# KiCad board panel.kicad_pcb (continued)
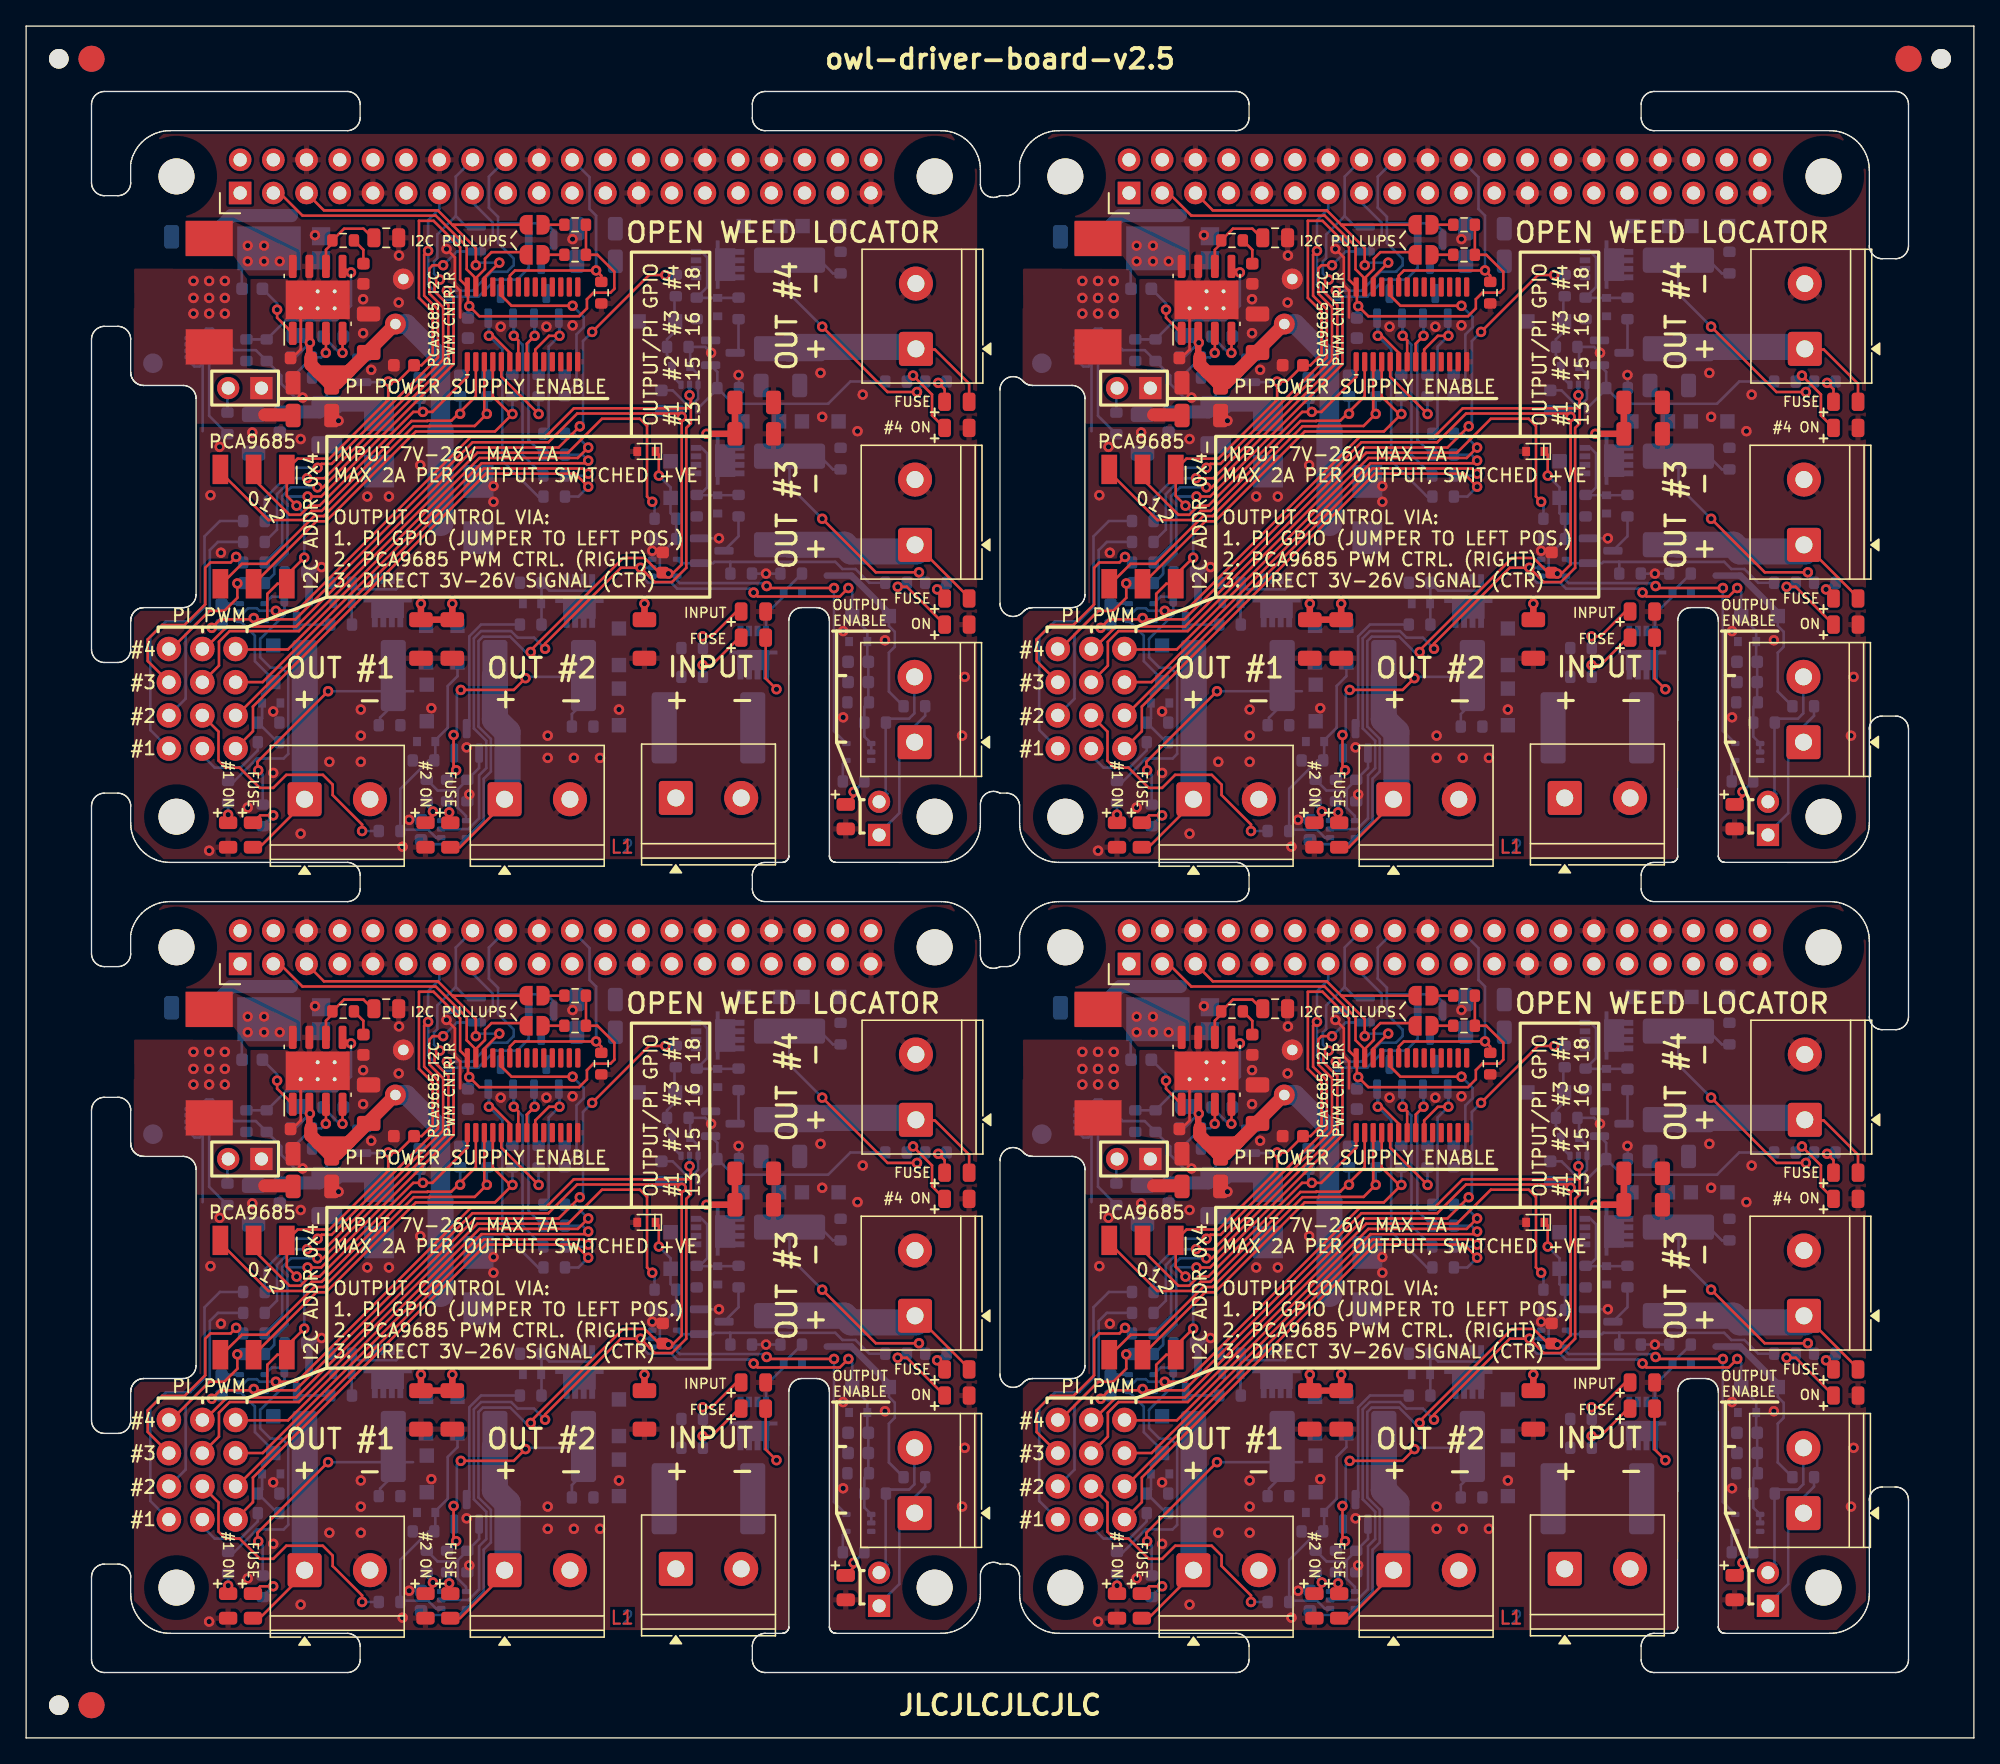
[diagram p0: board, top side]
## Library data of the parts (continued)
U4 U4#2-U4#4 U5 U5#2-U5#4 U6 U6#2-U6#4 U7 U7#2-U7#4 U8 U8#2-U8#4 = -: Datasheet: https://datasheet.lcsc.com/lcsc/1809291813_Nexperia-74LVC1G08GW-125_C12512.pdf; Description: Single AND Gate, Low-Voltage CMOS; Part: 74LVC1G08GW,125; LCSC: C12512
U9 U9#2-U9#4 = -: Datasheet: https://www.diodes.com/assets/Datasheets/AZ1117.pdf; Description: 1A 20V Fixed LDO Linear Regulator, 3.3V, SOT-89/SOT-223/TO-220/TO-252/TO-263; LCSC: C5148692

## Footprints (pads in the part's own frame, mm; a bottom-side part is the same pattern mirrored in y, then rotated)
1X04_NO_SILK
  round 1.88 hole 1.016: 1(0,0) 2(2.54,0) 3(5.08,0) 4(7.62,0)
2X4
  round 1.88 hole 1.016: 1(-3.81,-1.27) 2(-3.81,1.27) 3(-1.27,-1.27) 4(-1.27,1.27) 5(1.27,-1.27) 6(1.27,1.27) 7(3.81,-1.27) 8(3.81,1.27)
C_0603_1608Metric_nosilk
  rrect 0.9x0.95 smd: 1(-0.775,0) 2(0.775,0)
C_0805_2012Metric
  rrect 1x1.45 smd: 1(-0.95,0) 2(0.95,0)
C_1206_3216Metric_nosilk
  rrect 1.15x1.8 smd: 1(-1.475,0) 2(1.475,0)
CP_EIA-3528-21_Kemet-B
  rrect 1.325x2.35 smd: 1(-1.538,0) 2(1.538,0)
CP_Radial_D8.0mm_P3.50mm
  round 1.6 hole 0.8: 1(0,0) 2(3.5,0)
D_PowerDI-5
  rect 4.86x3.36 smd: 1(-1.12,0)
  rect 1.4x1.39 smd: 2(2.862,-0.92) 2(2.862,0.92)
D_SMB_silkpolarity
  rect 2.5x2.3 smd: 1(-2.15,0) 2(2.15,0)
D_SOD-123F_silkpolarity
  rect 1.1x1.1 smd: 1(-1.4,0) 2(1.4,0)
D_SOD-523_silkpolarity
  rect 0.6x0.7 smd: 1(-0.7,0) 2(0.7,0)
Diptronics-Rotary-Switch-R7M3-16RA-V
  rect 1.2x2.25 smd: 1(0,4.375) 2(-2.54,4.375) 4(-2.54,-4.375) 8(0,-4.375) C(2.54,4.375) C(2.54,-4.375)
Fiducial
  round 2 smd: (0,0)
Fuse_2920_7451Metric_nosilk
  rrect 1.925x5.45 smd: 1(-3.388,0) 2(3.388,0)
L_10.4x10.4_H4.8
  rect 2.7x3.6 smd: 1(-4.15,0) 2(4.15,0)
LED_0805_2012Metric
  rrect 0.975x1.4 smd: 1(-0.938,0) 2(0.938,0)
LM73100-QFN10
  custom 0.6x0.65 smd: 1(-0.9,0.7) 4(-0.9,-0.7) 7(0.9,-0.7) 10(0.9,0.7)
  rrect 0.6x0.25 smd: 2(-0.9,0.225) 3(-0.9,-0.225) 8(0.9,-0.225) 9(0.9,0.225)
  rrect 0.3x2.4 smd: 5(-0.25,0) 6(0.25,0)
NPTH
  round 1.5 hole 1.5 unplated: (0,0)
PDFN-8-3.3x3.3
  custom 0.45x0.8 smd: 1(-3.825,3.75) 3(-3.175,3.75) 3(-2.525,3.75) 3(-1.875,3.75)
  custom 3.7x2.25 smd: 2(-2.84,2.1)
Pin_Header_Straight_2x20
  rect 1.727x1.727 hole 1.016: 1(-1.27,24.13)
  oval 1.727x1.727 hole 1.016: 2(1.27,24.13) 3(-1.27,21.59) 4(1.27,21.59) 5(-1.27,19.05) 6(1.27,19.05) 7(-1.27,16.51) 8(1.27,16.51) 9(-1.27,13.97) 10(1.27,13.97) 11(-1.27,11.43) 12(1.27,11.43) 13(-1.27,8.89) 14(1.27,8.89) 15(-1.27,6.35) 16(1.27,6.35) 17(-1.27,3.81) 18(1.27,3.81) 19(-1.27,1.27) 20(1.27,1.27) 21(-1.27,-1.27) 22(1.27,-1.27) 23(-1.27,-3.81) 24(1.27,-3.81) 25(-1.27,-6.35) 26(1.27,-6.35) 27(-1.27,-8.89) 28(1.27,-8.89) 29(-1.27,-11.43) 30(1.27,-11.43) 31(-1.27,-13.97) 32(1.27,-13.97) 33(-1.27,-16.51) 34(1.27,-16.51) 35(-1.27,-19.05) 36(1.27,-19.05) 37(-1.27,-21.59) 38(1.27,-21.59) 39(-1.27,-24.13) 40(1.27,-24.13)
PinHeader_1x02_P2.54mm_Vertical_nosilk
  rect 1.7x1.7 hole 1: 1(0,0)
  oval 1.7x1.7 hole 1: 2(0,-2.54)
R_0603_1608Metric
  rrect 0.8x0.95 smd: 1(-0.825,0) 2(0.825,0)
RPi_Hat_Mounting_Hole
  round 2.75 hole 2.75 unplated: (0,0)
SolderJumper-2_P1.3mm_Open_RoundedPad1.0x1.5mm_nosilk
  custom 1x1.5 smd: 1(-0.65,0) 2(0.65,0)
SOT-23
  rrect 1.475x0.6 smd: 1(-0.938,0.95) 2(-0.938,-0.95) 3(0.938,0)
SOT-23_nosilk
  rrect 1.475x0.6 smd: 1(-0.938,0.95) 2(-0.938,-0.95) 3(0.938,0)
SOT-353_SC-70-5
  rrect 0.65x0.4 smd: 1(-0.95,0.65) 2(-0.95,0) 3(-0.95,-0.65) 4(0.95,-0.65) 5(0.95,0.65)
TerminalBlock_Phoenix_PT-1,5-2-5.0-H_1x02_P5.00mm_Horizontal
  rrect 2.6x2.6 hole 1.3: 1(0,0)
  round 2.6 hole 1.3: 2(5,0)
TestPoint_Pad_D1.5mm_NoSilk
  round 1.5 smd: 1(0,0)
Texas_R-PDSO-G8_EP2.95x4.9mm_Mask2.4x3.1mm_ThermalVias
  rrect 1.04x0.89 smd: (-0.6,1.03) (-0.6,0) (-0.6,-1.03) (0.6,1.03) (0.6,0) (0.6,-1.03)
  rect 2.4x3.1 smd: (0,0)
  rrect 1.775x0.6 smd: 1(-2.562,1.905) 2(-2.562,0.635) 3(-2.562,-0.635) 4(-2.562,-1.905) 5(2.562,-1.905) 6(2.562,-0.635) 7(2.562,0.635) 8(2.562,1.905)
  round 0.6 hole 0.3: 9(-0.65,1.3) 9(-0.65,0) 9(-0.65,-1.3) 9(0.65,0) 9(0.65,-1.3)
  rect 1.8x3.1 smd far side: 9(0,0)
  rect 2.95x4.9 smd: 9(0,0)
TSSOP-28_4.4x9.7mm_P0.65mm
  rrect 1.475x0.4 smd: 1(-2.862,4.225) 2(-2.862,3.575) 3(-2.862,2.925) 4(-2.862,2.275) 5(-2.862,1.625) 6(-2.862,0.975) 7(-2.862,0.325) 8(-2.862,-0.325) 9(-2.862,-0.975) 10(-2.862,-1.625) 11(-2.862,-2.275) 12(-2.862,-2.925) 13(-2.862,-3.575) 14(-2.862,-4.225) 15(2.862,-4.225) 16(2.862,-3.575) 17(2.862,-2.925) 18(2.862,-2.275) 19(2.862,-1.625) 20(2.862,-0.975) 21(2.862,-0.325) 22(2.862,0.325) 23(2.862,0.975) 24(2.862,1.625) 25(2.862,2.275) 26(2.862,2.925) 27(2.862,3.575) 28(2.862,4.225)

## Nets
Board_0-+3V3: C7#2.1 C26.1 C27#3.1 C28#4.1 C29#2.1 C30#4.1 R39#2.2 R40#4.2 SW1#4.C U2#3.28 U4.5 U5.5 U6.5 U7#3.5 U8#2.5 U9#2.2
Board_0-+5V: C9#4.1 C13#3.1 C14#4.1 C20#2.1 D16#3.1 J9.1 L1#3.2 R42#2.2 U9#2.3
Board_0-/BOOT: C17#2.1 U1#2.1
Board_0-/COMP: C22#4.1 R44#4.1 U1#2.6
Board_0-/EN: R41#2.1 R43#2.2 U1#2.3
Board_0-/M1_D: D8#3.2 D10#4.1 F2#4.1 Q2#2.2 R4.2 R62#3.2
Board_0-/M1_G: D2#3.2 Q2#2.1 R2#3.1 R6#2.2
Board_0-/M2_D: D21#4.2 D23.1 F4.1 Q6#3.2 R15#4.2 R61.2
Board_0-/M2_G: D17#4.2 Q6#3.1 R13#4.1 R17.2
Board_0-/M3_D: D9#2.2 D11#4.1 F3#3.1 Q3#3.2 R5.2 R60.2
Board_0-/M3_G: D3.2 Q3#3.1 R3#2.1 R7#2.2
Board_0-/M4_D: D22.2 D24#3.1 F5#2.1 Q7#3.2 R16.1 R59#4.2
Board_0-/M4_G: D18#3.2 Q7#3.1 R14#4.1 R18#3.2
Board_0-/PI_5V0_P: J9.2 R46#3.2 U3#2.5
Board_0-/SS: C24#2.1 U1#2.4
Board_0-/SW: C17#2.2 D36#4.1 L1#3.1 U1#2.8
Board_0-/VSENSE: R42#2.1 R45#2.2 U1#2.5
Board_0-ENABLE: C21.1 C25#3.1 D39.1 D40#2.2 R47#2.1 R49#3.2 U4.2 U5.2 U6.2 U7#3.2 U8#2.1 U8#2.2
Board_0-GND: C1#4.2 C2#2.2 C3#3.2 C4#3.2 C5#3.2 C6#3.2 C7#2.2 C8#4.2 C9#4.2 C10#4.2 C11.2 C12#3.2 C13#3.2 C14#4.2 C15#4.2 C16#4.2 C18#2.2 C19#2.2 C20#2.2 C21.2 C22#4.2 C23#2.2 C24#2.2 C25#3.2 C26.2 C27#3.2 C28#4.2 C29#2.2 C30#4.2 D7#3.2 D10#4.2 D11#4.2 D16#3.2 D23.2 D24#3.2 D29#4.1 D30.1 D31#3.1 D32#2.3 D33#4.3 D34.3 D35.3 D36#4.2 D37.1 D38.1 D39.2 D41#4.1 D42#2.2 D43#2.2 D44#2.2 D45#3.2 J2#2.6 J2#2.9 J2#2.14 J2#2.20 J2#2.25 J2#2.30 J2#2.34 J2#2.39 J3#3.2 J4.2 J5#4.2 J7.2 J8#2.2 Q4#3.2 Q5#2.2 Q8#4.2 Q9#3.2 R8#3.1 R11#2.1 R12#2.1 R21#2.1 R22.1 R28#3.1 R32#2.1 R33#4.1 R34#4.1 R35#4.1 R36#4.1 R37#3.1 R43#2.1 R45#2.1 R47#2.2 R50#2.1 R51.1 R52#3.1 R53#4.1 R59#4.1 R60.1 R61.1 R62#3.1 U1#2.7 U1#2.9 U2#3.14 U3#2.2 U3#2.4 U3#2.8 U3#2.9 U4.3 U5.3 U6.3 U7#3.3 U8#2.3 U9#2.1
Board_0-I2C_SCL: J2#2.5 JP8#3.1 U2#3.26
Board_0-I2C_SDA: J2#2.3 JP7#2.1 U2#3.27
Board_0-INPUT1: J6#2.1 R24#3.2
Board_0-INPUT2: J6#2.3 R25.2
Board_0-INPUT3: J6#2.5 R26#2.2
Board_0-INPUT4: J6#2.7 R27#3.2
Board_0-MOSFET1: J6#2.2 R9#3.2
Board_0-MOSFET2: J6#2.4 R19#3.2
Board_0-MOSFET3: J6#2.6 R10#2.2
Board_0-MOSFET4: J6#2.8 R20#4.2
Board_0-Net-(C23-Pad1): C23#2.1 R44#4.2
Board_0-Net-(D1-A): D1#3.2 R1#4.1
Board_0-Net-(D1-K): D1#3.1 F1#3.2 Q1#2.2
Board_0-Net-(D4-A): D4#3.2 R4.1
Board_0-Net-(D5-A): D5.2 R5.1
Board_0-Net-(D6-A): D6#3.2 Q1#2.1 R8#3.2
Board_0-Net-(D12-A): D12#4.2 D45#3.1 R9#3.1 R53#4.2 U5.1
Board_0-Net-(D13-A): D13#2.2 D43#2.1 R10#2.1 R51.2 U6.1
Board_0-Net-(D19-A): D19.2 R15#4.1
Board_0-Net-(D20-A): D20#3.2 R16.2
Board_0-Net-(D25-A): D25.2 D44#2.1 R19#3.1 R52#3.2 U4.1
Board_0-Net-(D26-A): D26#2.2 D42#2.1 R20#4.1 R50#2.2 U7#3.1
Board_0-Net-(D29-A): D29#4.2 R58#3.1
Board_0-Net-(D30-A): D30.2 R56#2.1
Board_0-Net-(D31-A): D31#3.2 R57#2.1
Board_0-Net-(D37-A): D37.2 R54.1
Board_0-Net-(D38-A): D38.2 R23#2.1
Board_0-Net-(D41-A): D41#4.2 R55#3.1
Board_0-Net-(J2-GP22): D35.2 J2#2.15 R29#4.1
Board_0-Net-(J2-GP23): D35.1 J2#2.16 R30#2.1
Board_0-Net-(J2-GP24): D34.2 J2#2.18 R31.1
Board_0-Net-(J2-GP27): D34.1 J2#2.13 R38#3.1
Board_0-Net-(J10-Pin_1): J10#4.1 J11.1 R48.2
Board_0-Net-(J10-Pin_2): J10#4.2 J11.2 R49#3.1
Board_0-Net-(JP7-B): JP7#2.2 R39#2.1
Board_0-Net-(JP8-B): JP8#3.2 R40#4.1
Board_0-Net-(Q4-D): Q4#3.3 R6#2.1
Board_0-Net-(Q4-G): Q4#3.1 R11#2.2 R58#3.2 U5.4
Board_0-Net-(Q5-D): Q5#2.3 R7#2.1
Board_0-Net-(Q5-G): Q5#2.1 R12#2.2 R56#2.2 U6.4
Board_0-Net-(Q8-D): Q8#4.3 R17.1
Board_0-Net-(Q8-G): Q8#4.1 R21#2.2 R57#2.2 U4.4
Board_0-Net-(Q9-D): Q9#3.3 R18#3.1
Board_0-Net-(Q9-G): Q9#3.1 R22.2 R54.2 U7#3.4
Board_0-Net-(R55-Pad2): R55#3.2 U8#2.4
Board_0-Net-(U2-A0): R37#3.2 SW1#4.1 U2#3.1
Board_0-Net-(U2-A1): R36#4.2 SW1#4.2 U2#3.2
Board_0-Net-(U2-A2): R35#4.2 SW1#4.4 U2#3.3
Board_0-Net-(U2-A3): R34#4.2 SW1#4.8 U2#3.4
Board_0-Net-(U2-A4): R33#4.2 U2#3.5
Board_0-Net-(U2-A5): R32#2.2 U2#3.24
Board_0-Net-(U2-LED0): D33#4.2 R24#3.1 U2#3.6
Board_0-Net-(U2-LED1): D33#4.1 R25.1 U2#3.7
Board_0-Net-(U2-LED2): D32#2.2 R26#2.1 U2#3.8
Board_0-Net-(U2-LED3): D32#2.1 R27#3.1 U2#3.9
Board_0-Net-(U3-EN): R46#3.1 U3#2.1
Board_0-OE: J2#2.22 R28#3.2 U2#3.23
Board_0-OUT1: D4#3.1 F2#4.2 J4.1
Board_0-OUT2: D19.1 F4.2 J5#4.1
Board_0-OUT3: D5.1 F3#3.2 J7.1
Board_0-OUT4: D20#3.1 F5#2.2 J8#2.1
Board_0-PI1: J1#3.4 R38#3.2
Board_0-PI2: J1#3.3 R29#4.2
Board_0-PI3: J1#3.2 R30#2.2
Board_0-PI4: J1#3.1 R31.2
Board_0-PI_5V0: C10#4.1 J2#2.2 J2#2.4 TP1#2.1 U3#2.6
Board_0-unconnected-(J2-3.3V-Pad1): J2#2.1
Board_0-unconnected-(J2-3.3V-Pad17): J2#2.17
Board_0-unconnected-(J2-CE0-Pad24): J2#2.24
Board_0-unconnected-(J2-CE1-Pad26): J2#2.26
Board_0-unconnected-(J2-GP4-Pad7): J2#2.7
Board_0-unconnected-(J2-GP5-Pad29): J2#2.29
Board_0-unconnected-(J2-GP6-Pad31): J2#2.31
Board_0-unconnected-(J2-GP12-Pad32): J2#2.32
Board_0-unconnected-(J2-GP13-Pad33): J2#2.33
Board_0-unconnected-(J2-GP16-Pad36): J2#2.36
Board_0-unconnected-(J2-GP17-Pad11): J2#2.11
Board_0-unconnected-(J2-GP18#-Pad12): J2#2.12
Board_0-unconnected-(J2-GP19-Pad35): J2#2.35
Board_0-unconnected-(J2-GP20-Pad38): J2#2.38
Board_0-unconnected-(J2-GP21-Pad40): J2#2.40
Board_0-unconnected-(J2-GP26-Pad37): J2#2.37
Board_0-unconnected-(J2-ID_SC-Pad28): J2#2.28
Board_0-unconnected-(J2-ID_SD-Pad27): J2#2.27
Board_0-unconnected-(J2-MISO-Pad21): J2#2.21
Board_0-unconnected-(J2-MOSI-Pad19): J2#2.19
Board_0-unconnected-(J2-RXI-Pad10): J2#2.10
Board_0-unconnected-(J2-SCLK-Pad23): J2#2.23
Board_0-unconnected-(J2-TXO-Pad8): J2#2.8
Board_0-unconnected-(U2-EXTCLK-Pad25): U2#3.25
Board_0-unconnected-(U2-LED4-Pad10): U2#3.10
Board_0-unconnected-(U2-LED5-Pad11): U2#3.11
Board_0-unconnected-(U2-LED6-Pad12): U2#3.12
Board_0-unconnected-(U2-LED7-Pad13): U2#3.13
Board_0-unconnected-(U2-LED8-Pad15): U2#3.15
Board_0-unconnected-(U2-LED9-Pad16): U2#3.16
Board_0-unconnected-(U2-LED10-Pad17): U2#3.17
Board_0-unconnected-(U2-LED11-Pad18): U2#3.18
Board_0-unconnected-(U2-LED12-Pad19): U2#3.19
Board_0-unconnected-(U2-LED13-Pad20): U2#3.20
Board_0-unconnected-(U2-LED14-Pad21): U2#3.21
Board_0-unconnected-(U2-LED15-Pad22): U2#3.22
Board_0-unconnected-(U3-DNC-Pad10): U3#2.10
Board_0-unconnected-(U3-DVDT-Pad7): U3#2.7
Board_0-unconnected-(U3-PG-Pad3): U3#2.3
Board_0-VCC: C1#4.1 C2#2.1 C3#3.1 C4#3.1 C5#3.1 C6#3.1 C8#4.1 C11.1 C12#3.1 C15#4.1 C16#4.1 C18#2.1 C19#2.1 D2#3.1 D3.1 D6#3.1 D7#3.1 D8#3.1 D9#2.1 D12#4.1 D13#2.1 D17#4.1 D18#3.1 D21#4.1 D22.1 D25.1 D26#2.1 D40#2.1 Q1#2.3 Q2#2.3 Q3#3.3 Q6#3.3 Q7#3.3 R2#3.2 R3#2.2 R13#4.2 R14#4.2 R23#2.2 R41#2.2 R48.1 U1#2.2
Board_0-VIN: F1#3.1 J3#3.1 R1#4.2
Board_1-+3V3: C7#4.1 C26#4.1 C27.1 C28#3.1 C29.1 C30#3.1 R39.2 R40#2.2 SW1#2.C U2#4.28 U4#3.5 U5#4.5 U6#3.5 U7#4.5 U8.5 U9#3.2
Board_1-+5V: C9#3.1 C13#4.1 C14#3.1 C20.1 D16.1 J9#3.1 L1#4.2 R42.2 U9#3.3
Board_1-/BOOT: C17#4.1 U1#3.1
Board_1-/COMP: C22#2.1 R44#3.1 U1#3.6
Board_1-/EN: R41#4.1 R43#3.2 U1#3.3
Board_1-/M1_D: D8#2.2 D10.1 F2#2.1 Q2#3.2 R4#2.2 R62.2
Board_1-/M1_G: D2.2 Q2#3.1 R2.1 R6#4.2
Board_1-/M2_D: D21#3.2 D23#2.1 F4#2.1 Q6#2.2 R15#3.2 R61#2.2
Board_1-/M2_G: D17#3.2 Q6#2.1 R13#2.1 R17#3.2
Board_1-/M3_D: D9#4.2 D11.1 F3#2.1 Q3#2.2 R5#4.2 R60#2.2
Board_1-/M3_G: D3#3.2 Q3#2.1 R3#3.1 R7.2
Board_1-/M4_D: D22#4.2 D24#4.1 F5.1 Q7#4.2 R16#4.1 R59#2.2
Board_1-/M4_G: D18#4.2 Q7#4.1 R14#3.1 R18#2.2
Board_1-/PI_5V0_P: J9#3.2 R46#2.2 U3#3.5
Board_1-/SS: C24#3.1 U1#3.4
Board_1-/SW: C17#4.2 D36.1 L1#4.1 U1#3.8
Board_1-/VSENSE: R42.1 R45.2 U1#3.5
Board_1-ENABLE: C21#2.1 C25#4.1 D39#3.1 D40.2 R47.1 R49#2.2 U4#3.2 U5#4.2 U6#3.2 U7#4.2 U8.1 U8.2
Board_1-GND: C1#3.2 C2#3.2 C3#4.2 C4#4.2 C5.2 C6#2.2 C7#4.2 C8#3.2 C9#3.2 C10#3.2 C11#2.2 C12#2.2 C13#4.2 C14#3.2 C15.2 C16#3.2 C18.2 C19#4.2 C20.2 C21#2.2 C22#2.2 C23#3.2 C24#3.2 C25#4.2 C26#4.2 C27.2 C28#3.2 C29.2 C30#3.2 D7#2.2 D10.2 D11.2 D16.2 D23#2.2 D24#4.2 D29.1 D30#3.1 D31#4.1 D32#4.3 D33.3 D34#2.3 D35#2.3 D36.2 D37#3.1 D38#2.1 D39#3.2 D41#2.1 D42.2 D43#3.2 D44.2 D45#2.2 J2#3.6 J2#3.9 J2#3.14 J2#3.20 J2#3.25 J2#3.30 J2#3.34 J2#3.39 J3.2 J4#3.2 J5.2 J7#3.2 J8#4.2 Q4#2.2 Q5.2 Q8#3.2 Q9#4.2 R8.1 R11#4.1 R12.1 R21#3.1 R22#2.1 R28#4.1 R32#3.1 R33.1 R34#3.1 R35#3.1 R36#2.1 R37#4.1 R43#3.1 R45.1 R47.2 R50.1 R51#4.1 R52.1 R53#3.1 R59#2.1 R60#2.1 R61#2.1 R62.1 U1#3.7 U1#3.9 U2#4.14 U3#3.2 U3#3.4 U3#3.8 U3#3.9 U4#3.3 U5#4.3 U6#3.3 U7#4.3 U8.3 U9#3.1
Board_1-I2C_SCL: J2#3.5 JP8#2.1 U2#4.26
Board_1-I2C_SDA: J2#3.3 JP7.1 U2#4.27
Board_1-INPUT1: J6#4.1 R24.2
Board_1-INPUT2: J6#4.3 R25#4.2
Board_1-INPUT3: J6#4.5 R26#4.2
Board_1-INPUT4: J6#4.7 R27#2.2
Board_1-MOSFET1: J6#4.2 R9#2.2
Board_1-MOSFET2: J6#4.4 R19#4.2
Board_1-MOSFET3: J6#4.6 R10#4.2
Board_1-MOSFET4: J6#4.8 R20.2
Board_1-Net-(C23-Pad1): C23#3.1 R44#3.2
Board_1-Net-(D1-A): D1#2.2 R1.1
Board_1-Net-(D1-K): D1#2.1 F1#2.2 Q1#4.2
Board_1-Net-(D4-A): D4.2 R4#2.1
Board_1-Net-(D5-A): D5#2.2 R5#4.1
Board_1-Net-(D6-A): D6.2 Q1#4.1 R8.2
Board_1-Net-(D12-A): D12#3.2 D45#2.1 R9#2.1 R53#3.2 U5#4.1
Board_1-Net-(D13-A): D13#4.2 D43#3.1 R10#4.1 R51#4.2 U6#3.1
Board_1-Net-(D19-A): D19#3.2 R15#3.1
Board_1-Net-(D20-A): D20#4.2 R16#4.2
Board_1-Net-(D25-A): D25#3.2 D44.1 R19#4.1 R52.2 U4#3.1
Board_1-Net-(D26-A): D26.2 D42.1 R20.1 R50.2 U7#4.1
Board_1-Net-(D29-A): D29.2 R58#4.1
Board_1-Net-(D30-A): D30#3.2 R56#3.1
Board_1-Net-(D31-A): D31#4.2 R57#4.1
Board_1-Net-(D37-A): D37#3.2 R54#4.1
Board_1-Net-(D38-A): D38#2.2 R23#4.1
Board_1-Net-(D41-A): D41#2.2 R55#2.1
Board_1-Net-(J2-GP22): D35#2.2 J2#3.15 R29.1
Board_1-Net-(J2-GP23): D35#2.1 J2#3.16 R30.1
Board_1-Net-(J2-GP24): D34#2.2 J2#3.18 R31#2.1
Board_1-Net-(J2-GP27): D34#2.1 J2#3.13 R38#4.1
Board_1-Net-(J10-Pin_1): J10.1 J11#2.1 R48#3.2
Board_1-Net-(J10-Pin_2): J10.2 J11#2.2 R49#2.1
Board_1-Net-(JP7-B): JP7.2 R39.1
Board_1-Net-(JP8-B): JP8#2.2 R40#2.1
Board_1-Net-(Q4-D): Q4#2.3 R6#4.1
Board_1-Net-(Q4-G): Q4#2.1 R11#4.2 R58#4.2 U5#4.4
Board_1-Net-(Q5-D): Q5.3 R7.1
Board_1-Net-(Q5-G): Q5.1 R12.2 R56#3.2 U6#3.4
Board_1-Net-(Q8-D): Q8#3.3 R17#3.1
Board_1-Net-(Q8-G): Q8#3.1 R21#3.2 R57#4.2 U4#3.4
Board_1-Net-(Q9-D): Q9#4.3 R18#2.1
Board_1-Net-(Q9-G): Q9#4.1 R22#2.2 R54#4.2 U7#4.4
Board_1-Net-(R55-Pad2): R55#2.2 U8.4
Board_1-Net-(U2-A0): R37#4.2 SW1#2.1 U2#4.1
Board_1-Net-(U2-A1): R36#2.2 SW1#2.2 U2#4.2
Board_1-Net-(U2-A2): R35#3.2 SW1#2.4 U2#4.3
Board_1-Net-(U2-A3): R34#3.2 SW1#2.8 U2#4.4
Board_1-Net-(U2-A4): R33.2 U2#4.5
Board_1-Net-(U2-A5): R32#3.2 U2#4.24
Board_1-Net-(U2-LED0): D33.2 R24.1 U2#4.6
Board_1-Net-(U2-LED1): D33.1 R25#4.1 U2#4.7
Board_1-Net-(U2-LED2): D32#4.2 R26#4.1 U2#4.8
Board_1-Net-(U2-LED3): D32#4.1 R27#2.1 U2#4.9
Board_1-Net-(U3-EN): R46#2.1 U3#3.1
Board_1-OE: J2#3.22 R28#4.2 U2#4.23
Board_1-OUT1: D4.1 F2#2.2 J4#3.1
Board_1-OUT2: D19#3.1 F4#2.2 J5.1
Board_1-OUT3: D5#2.1 F3#2.2 J7#3.1
Board_1-OUT4: D20#4.1 F5.2 J8#4.1
Board_1-PI1: J1#4.4 R38#4.2
Board_1-PI2: J1#4.3 R29.2
Board_1-PI3: J1#4.2 R30.2
Board_1-PI4: J1#4.1 R31#2.2
Board_1-PI_5V0: C10#3.1 J2#3.2 J2#3.4 TP1.1 U3#3.6
Board_1-unconnected-(J2-3.3V-Pad1): J2#3.1
Board_1-unconnected-(J2-3.3V-Pad17): J2#3.17
Board_1-unconnected-(J2-CE0-Pad24): J2#3.24
Board_1-unconnected-(J2-CE1-Pad26): J2#3.26
Board_1-unconnected-(J2-GP4-Pad7): J2#3.7
Board_1-unconnected-(J2-GP5-Pad29): J2#3.29
Board_1-unconnected-(J2-GP6-Pad31): J2#3.31
Board_1-unconnected-(J2-GP12-Pad32): J2#3.32
Board_1-unconnected-(J2-GP13-Pad33): J2#3.33
Board_1-unconnected-(J2-GP16-Pad36): J2#3.36
Board_1-unconnected-(J2-GP17-Pad11): J2#3.11
Board_1-unconnected-(J2-GP18#-Pad12): J2#3.12
Board_1-unconnected-(J2-GP19-Pad35): J2#3.35
Board_1-unconnected-(J2-GP20-Pad38): J2#3.38
Board_1-unconnected-(J2-GP21-Pad40): J2#3.40
Board_1-unconnected-(J2-GP26-Pad37): J2#3.37
Board_1-unconnected-(J2-ID_SC-Pad28): J2#3.28
Board_1-unconnected-(J2-ID_SD-Pad27): J2#3.27
Board_1-unconnected-(J2-MISO-Pad21): J2#3.21
Board_1-unconnected-(J2-MOSI-Pad19): J2#3.19
Board_1-unconnected-(J2-RXI-Pad10): J2#3.10
Board_1-unconnected-(J2-SCLK-Pad23): J2#3.23
Board_1-unconnected-(J2-TXO-Pad8): J2#3.8
Board_1-unconnected-(U2-EXTCLK-Pad25): U2#4.25
Board_1-unconnected-(U2-LED4-Pad10): U2#4.10
Board_1-unconnected-(U2-LED5-Pad11): U2#4.11
Board_1-unconnected-(U2-LED6-Pad12): U2#4.12
Board_1-unconnected-(U2-LED7-Pad13): U2#4.13
Board_1-unconnected-(U2-LED8-Pad15): U2#4.15
Board_1-unconnected-(U2-LED9-Pad16): U2#4.16
Board_1-unconnected-(U2-LED10-Pad17): U2#4.17
Board_1-unconnected-(U2-LED11-Pad18): U2#4.18
Board_1-unconnected-(U2-LED12-Pad19): U2#4.19
Board_1-unconnected-(U2-LED13-Pad20): U2#4.20
Board_1-unconnected-(U2-LED14-Pad21): U2#4.21
Board_1-unconnected-(U2-LED15-Pad22): U2#4.22
Board_1-unconnected-(U3-DNC-Pad10): U3#3.10
Board_1-unconnected-(U3-DVDT-Pad7): U3#3.7
Board_1-unconnected-(U3-PG-Pad3): U3#3.3
Board_1-VCC: C1#3.1 C2#3.1 C3#4.1 C4#4.1 C5.1 C6#2.1 C8#3.1 C11#2.1 C12#2.1 C15.1 C16#3.1 C18.1 C19#4.1 D2.1 D3#3.1 D6.1 D7#2.1 D8#2.1 D9#4.1 D12#3.1 D13#4.1 D17#3.1 D18#4.1 D21#3.1 D22#4.1 D25#3.1 D26.1 D40.1 Q1#4.3 Q2#3.3 Q3#2.3 Q6#2.3 Q7#4.3 R2.2 R3#3.2 R13#2.2 R14#3.2 R23#4.2 R41#4.2 R48#3.1 U1#3.2
Board_1-VIN: F1#2.1 J3.1 R1.2
Board_2-+3V3: C7#3.1 C26#3.1 C27#4.1 C28#2.1 C29#3.1 C30#2.1 R39#3.2 R40#3.2 SW1#3.C U2.28 U4#4.5 U5#2.5 U6#2.5 U7.5 U8#3.5 U9.2
Board_2-+5V: C9.1 C13.1 C14#2.1 C20#4.1 D16#4.1 J9#2.1 L1.2 R42#3.2 U9.3
Board_2-/BOOT: C17#3.1 U1#4.1
Board_2-/COMP: C22#3.1 R44.1 U1#4.6
Board_2-/EN: R41#3.1 R43.2 U1#4.3
Board_2-/M1_D: D8.2 D10#2.1 F2#3.1 Q2#4.2 R4#4.2 R62#2.2
Board_2-/M1_G: D2#4.2 Q2#4.1 R2#4.1 R6#3.2
Board_2-/M2_D: D21.2 D23#4.1 F4#3.1 Q6.2 R15#2.2 R61#4.2
Board_2-/M2_G: D17.2 Q6.1 R13.1 R17#2.2
Board_2-/M3_D: D9.2 D11#3.1 F3.1 Q3.2 R5#2.2 R60#3.2
Board_2-/M3_G: D3#4.2 Q3.1 R3.1 R7#3.2
Board_2-/M4_D: D22#2.2 D24#2.1 F5#3.1 Q7.2 R16#2.1 R59#3.2
Board_2-/M4_G: D18#2.2 Q7.1 R14.1 R18#4.2
Board_2-/PI_5V0_P: J9#2.2 R46.2 U3#4.5
Board_2-/SS: C24.1 U1#4.4
Board_2-/SW: C17#3.2 D36#2.1 L1.1 U1#4.8
Board_2-/VSENSE: R42#3.1 R45#3.2 U1#4.5
Board_2-ENABLE: C21#4.1 C25#2.1 D39#4.1 D40#4.2 R47#4.1 R49#4.2 U4#4.2 U5#2.2 U6#2.2 U7.2 U8#3.1 U8#3.2
Board_2-GND: C1#2.2 C2#4.2 C3#2.2 C4#2.2 C5#2.2 C6.2 C7#3.2 C8.2 C9.2 C10#2.2 C11#3.2 C12#4.2 C13.2 C14#2.2 C15#3.2 C16#2.2 C18#3.2 C19.2 C20#4.2 C21#4.2 C22#3.2 C23#4.2 C24.2 C25#2.2 C26#3.2 C27#4.2 C28#2.2 C29#3.2 C30#2.2 D7#4.2 D10#2.2 D11#3.2 D16#4.2 D23#4.2 D24#2.2 D29#2.1 D30#4.1 D31#2.1 D32.3 D33#2.3 D34#4.3 D35#4.3 D36#2.2 D37#4.1 D38#3.1 D39#4.2 D41#3.1 D42#4.2 D43.2 D44#3.2 D45.2 J2.6 J2.9 J2.14 J2.20 J2.25 J2.30 J2.34 J2.39 J3#2.2 J4#2.2 J5#2.2 J7#4.2 J8.2 Q4.2 Q5#3.2 Q8#2.2 Q9#2.2 R8#2.1 R11#3.1 R12#4.1 R21#4.1 R22#3.1 R28#2.1 R32#4.1 R33#3.1 R34.1 R35.1 R36.1 R37.1 R43.1 R45#3.1 R47#4.2 R50#4.1 R51#3.1 R52#4.1 R53.1 R59#3.1 R60#3.1 R61#4.1 R62#2.1 U1#4.7 U1#4.9 U2.14 U3#4.2 U3#4.4 U3#4.8 U3#4.9 U4#4.3 U5#2.3 U6#2.3 U7.3 U8#3.3 U9.1
Board_2-I2C_SCL: J2.5 JP8.1 U2.26
Board_2-I2C_SDA: J2.3 JP7#3.1 U2.27
Board_2-INPUT1: J6#3.1 R24#2.2
Board_2-INPUT2: J6#3.3 R25#2.2
Board_2-INPUT3: J6#3.5 R26.2
Board_2-INPUT4: J6#3.7 R27.2
Board_2-MOSFET1: J6#3.2 R9#4.2
Board_2-MOSFET2: J6#3.4 R19.2
Board_2-MOSFET3: J6#3.6 R10.2
Board_2-MOSFET4: J6#3.8 R20#2.2
Board_2-Net-(C23-Pad1): C23#4.1 R44.2
Board_2-Net-(D1-A): D1.2 R1#3.1
Board_2-Net-(D1-K): D1.1 F1.2 Q1.2
Board_2-Net-(D4-A): D4#2.2 R4#4.1
Board_2-Net-(D5-A): D5#4.2 R5#2.1
Board_2-Net-(D6-A): D6#4.2 Q1.1 R8#2.2
Board_2-Net-(D12-A): D12#2.2 D45.1 R9#4.1 R53.2 U5#2.1
Board_2-Net-(D13-A): D13#3.2 D43.1 R10.1 R51#3.2 U6#2.1
Board_2-Net-(D19-A): D19#2.2 R15#2.1
Board_2-Net-(D20-A): D20.2 R16#2.2
Board_2-Net-(D25-A): D25#4.2 D44#3.1 R19.1 R52#4.2 U4#4.1
Board_2-Net-(D26-A): D26#4.2 D42#4.1 R20#2.1 R50#4.2 U7.1
Board_2-Net-(D29-A): D29#2.2 R58.1
Board_2-Net-(D30-A): D30#4.2 R56#4.1
Board_2-Net-(D31-A): D31#2.2 R57.1
Board_2-Net-(D37-A): D37#4.2 R54#3.1
Board_2-Net-(D38-A): D38#3.2 R23.1
Board_2-Net-(D41-A): D41#3.2 R55.1
Board_2-Net-(J2-GP22): D35#4.2 J2.15 R29#3.1
Board_2-Net-(J2-GP23): D35#4.1 J2.16 R30#3.1
Board_2-Net-(J2-GP24): D34#4.2 J2.18 R31#3.1
Board_2-Net-(J2-GP27): D34#4.1 J2.13 R38#2.1
Board_2-Net-(J10-Pin_1): J10#3.1 J11#3.1 R48#2.2
Board_2-Net-(J10-Pin_2): J10#3.2 J11#3.2 R49#4.1
Board_2-Net-(JP7-B): JP7#3.2 R39#3.1
Board_2-Net-(JP8-B): JP8.2 R40#3.1
Board_2-Net-(Q4-D): Q4.3 R6#3.1
Board_2-Net-(Q4-G): Q4.1 R11#3.2 R58.2 U5#2.4
Board_2-Net-(Q5-D): Q5#3.3 R7#3.1
Board_2-Net-(Q5-G): Q5#3.1 R12#4.2 R56#4.2 U6#2.4
Board_2-Net-(Q8-D): Q8#2.3 R17#2.1
Board_2-Net-(Q8-G): Q8#2.1 R21#4.2 R57.2 U4#4.4
Board_2-Net-(Q9-D): Q9#2.3 R18#4.1
Board_2-Net-(Q9-G): Q9#2.1 R22#3.2 R54#3.2 U7.4
Board_2-Net-(R55-Pad2): R55.2 U8#3.4
Board_2-Net-(U2-A0): R37.2 SW1#3.1 U2.1
Board_2-Net-(U2-A1): R36.2 SW1#3.2 U2.2
Board_2-Net-(U2-A2): R35.2 SW1#3.4 U2.3
Board_2-Net-(U2-A3): R34.2 SW1#3.8 U2.4
Board_2-Net-(U2-A4): R33#3.2 U2.5
Board_2-Net-(U2-A5): R32#4.2 U2.24
Board_2-Net-(U2-LED0): D33#2.2 R24#2.1 U2.6
Board_2-Net-(U2-LED1): D33#2.1 R25#2.1 U2.7
Board_2-Net-(U2-LED2): D32.2 R26.1 U2.8
Board_2-Net-(U2-LED3): D32.1 R27.1 U2.9
Board_2-Net-(U3-EN): R46.1 U3#4.1
Board_2-OE: J2.22 R28#2.2 U2.23
Board_2-OUT1: D4#2.1 F2#3.2 J4#2.1
Board_2-OUT2: D19#2.1 F4#3.2 J5#2.1
Board_2-OUT3: D5#4.1 F3.2 J7#4.1
Board_2-OUT4: D20.1 F5#3.2 J8.1
Board_2-PI1: J1.4 R38#2.2
Board_2-PI2: J1.3 R29#3.2
Board_2-PI3: J1.2 R30#3.2
Board_2-PI4: J1.1 R31#3.2
Board_2-PI_5V0: C10#2.1 J2.2 J2.4 TP1#4.1 U3#4.6
Board_2-unconnected-(J2-3.3V-Pad1): J2.1
Board_2-unconnected-(J2-3.3V-Pad17): J2.17
Board_2-unconnected-(J2-CE0-Pad24): J2.24
Board_2-unconnected-(J2-CE1-Pad26): J2.26
Board_2-unconnected-(J2-GP4-Pad7): J2.7
Board_2-unconnected-(J2-GP5-Pad29): J2.29
Board_2-unconnected-(J2-GP6-Pad31): J2.31
Board_2-unconnected-(J2-GP12-Pad32): J2.32
Board_2-unconnected-(J2-GP13-Pad33): J2.33
Board_2-unconnected-(J2-GP16-Pad36): J2.36
Board_2-unconnected-(J2-GP17-Pad11): J2.11
Board_2-unconnected-(J2-GP18#-Pad12): J2.12
Board_2-unconnected-(J2-GP19-Pad35): J2.35
Board_2-unconnected-(J2-GP20-Pad38): J2.38
Board_2-unconnected-(J2-GP21-Pad40): J2.40
Board_2-unconnected-(J2-GP26-Pad37): J2.37
Board_2-unconnected-(J2-ID_SC-Pad28): J2.28
Board_2-unconnected-(J2-ID_SD-Pad27): J2.27
Board_2-unconnected-(J2-MISO-Pad21): J2.21
Board_2-unconnected-(J2-MOSI-Pad19): J2.19
Board_2-unconnected-(J2-RXI-Pad10): J2.10
Board_2-unconnected-(J2-SCLK-Pad23): J2.23
Board_2-unconnected-(J2-TXO-Pad8): J2.8
Board_2-unconnected-(U2-EXTCLK-Pad25): U2.25
Board_2-unconnected-(U2-LED4-Pad10): U2.10
Board_2-unconnected-(U2-LED5-Pad11): U2.11
Board_2-unconnected-(U2-LED6-Pad12): U2.12
Board_2-unconnected-(U2-LED7-Pad13): U2.13
Board_2-unconnected-(U2-LED8-Pad15): U2.15
Board_2-unconnected-(U2-LED9-Pad16): U2.16
Board_2-unconnected-(U2-LED10-Pad17): U2.17
Board_2-unconnected-(U2-LED11-Pad18): U2.18
Board_2-unconnected-(U2-LED12-Pad19): U2.19
Board_2-unconnected-(U2-LED13-Pad20): U2.20
Board_2-unconnected-(U2-LED14-Pad21): U2.21
Board_2-unconnected-(U2-LED15-Pad22): U2.22
Board_2-unconnected-(U3-DNC-Pad10): U3#4.10
Board_2-unconnected-(U3-DVDT-Pad7): U3#4.7
Board_2-unconnected-(U3-PG-Pad3): U3#4.3
Board_2-VCC: C1#2.1 C2#4.1 C3#2.1 C4#2.1 C5#2.1 C6.1 C8.1 C11#3.1 C12#4.1 C15#3.1 C16#2.1 C18#3.1 C19.1 D2#4.1 D3#4.1 D6#4.1 D7#4.1 D8.1 D9.1 D12#2.1 D13#3.1 D17.1 D18#2.1 D21.1 D22#2.1 D25#4.1 D26#4.1 D40#4.1 Q1.3 Q2#4.3 Q3.3 Q6.3 Q7.3 R2#4.2 R3.2 R13.2 R14.2 R23.2 R41#3.2 R48#2.1 U1#4.2
Board_2-VIN: F1.1 J3#2.1 R1#3.2
Board_3-+3V3: C7.1 C26#2.1 C27#2.1 C28.1 C29#4.1 C30.1 R39#4.2 R40.2 SW1.C U2#2.28 U4#2.5 U5#3.5 U6#4.5 U7#2.5 U8#4.5 U9#4.2
Board_3-+5V: C9#2.1 C13#2.1 C14.1 C20#3.1 D16#2.1 J9#4.1 L1#2.2 R42#4.2 U9#4.3
Board_3-/BOOT: C17.1 U1.1
Board_3-/COMP: C22.1 R44#2.1 U1.6
Board_3-/EN: R41.1 R43#4.2 U1.3
Board_3-/M1_D: D8#4.2 D10#3.1 F2.1 Q2.2 R4#3.2 R62#4.2
Board_3-/M1_G: D2#2.2 Q2.1 R2#2.1 R6.2
Board_3-/M2_D: D21#2.2 D23#3.1 F4#4.1 Q6#4.2 R15.2 R61#3.2
Board_3-/M2_G: D17#2.2 Q6#4.1 R13#3.1 R17#4.2
Board_3-/M3_D: D9#3.2 D11#2.1 F3#4.1 Q3#4.2 R5#3.2 R60#4.2
Board_3-/M3_G: D3#2.2 Q3#4.1 R3#4.1 R7#4.2
Board_3-/M4_D: D22#3.2 D24.1 F5#4.1 Q7#2.2 R16#3.1 R59.2
Board_3-/M4_G: D18.2 Q7#2.1 R14#2.1 R18.2
Board_3-/PI_5V0_P: J9#4.2 R46#4.2 U3.5
Board_3-/SS: C24#4.1 U1.4
Board_3-/SW: C17.2 D36#3.1 L1#2.1 U1.8
Board_3-/VSENSE: R42#4.1 R45#4.2 U1.5
Board_3-ENABLE: C21#3.1 C25.1 D39#2.1 D40#3.2 R47#3.1 R49.2 U4#2.2 U5#3.2 U6#4.2 U7#2.2 U8#4.1 U8#4.2
Board_3-GND: C1.2 C2.2 C3.2 C4.2 C5#4.2 C6#4.2 C7.2 C8#2.2 C9#2.2 C10.2 C11#4.2 C12.2 C13#2.2 C14.2 C15#2.2 C16.2 C18#4.2 C19#3.2 C20#3.2 C21#3.2 C22.2 C23.2 C24#4.2 C25.2 C26#2.2 C27#2.2 C28.2 C29#4.2 C30.2 D7.2 D10#3.2 D11#2.2 D16#2.2 D23#3.2 D24.2 D29#3.1 D30#2.1 D31.1 D32#3.3 D33#3.3 D34#3.3 D35#3.3 D36#3.2 D37#2.1 D38#4.1 D39#2.2 D41.1 D42#3.2 D43#4.2 D44#4.2 D45#4.2 J2#4.6 J2#4.9 J2#4.14 J2#4.20 J2#4.25 J2#4.30 J2#4.34 J2#4.39 J3#4.2 J4#4.2 J5#3.2 J7#2.2 J8#3.2 Q4#4.2 Q5#4.2 Q8.2 Q9.2 R8#4.1 R11.1 R12#3.1 R21.1 R22#4.1 R28.1 R32.1 R33#2.1 R34#2.1 R35#2.1 R36#3.1 R37#2.1 R43#4.1 R45#4.1 R47#3.2 R50#3.1 R51#2.1 R52#2.1 R53#2.1 R59.1 R60#4.1 R61#3.1 R62#4.1 U1.7 U1.9 U2#2.14 U3.2 U3.4 U3.8 U3.9 U4#2.3 U5#3.3 U6#4.3 U7#2.3 U8#4.3 U9#4.1